# Altium PCB BusAdaptor_final.PcbDoc (part 1 of 2)
Units mm, origin at the board's own origin, x right, y up, seen from the top; angles counter-clockwise.
Board outline 50.93 x 30 mm, 4 copper layers (Top Layer, GND, POWER, Bottom Layer), stack 0.603 mm thick; 145 components, 102 nets, 555 pads, 364 vias.
Unrouted connection lines stored in the file: 6.
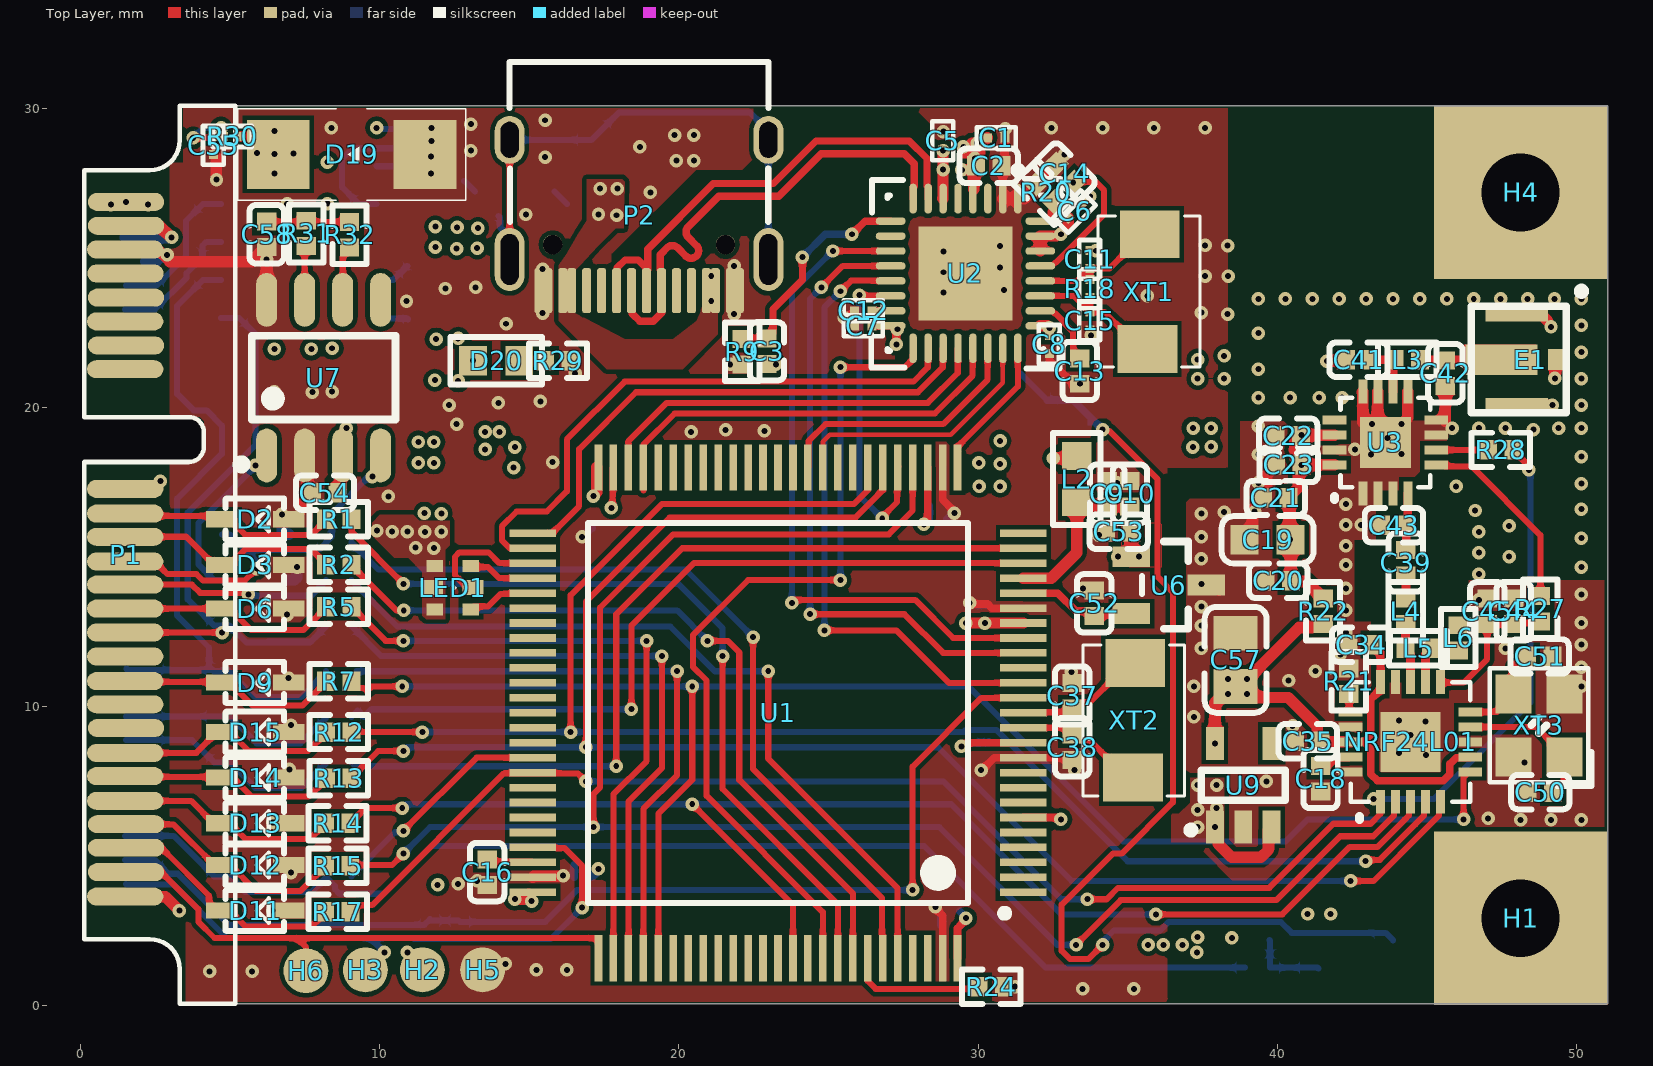
[diagram p0: Top Layer view]
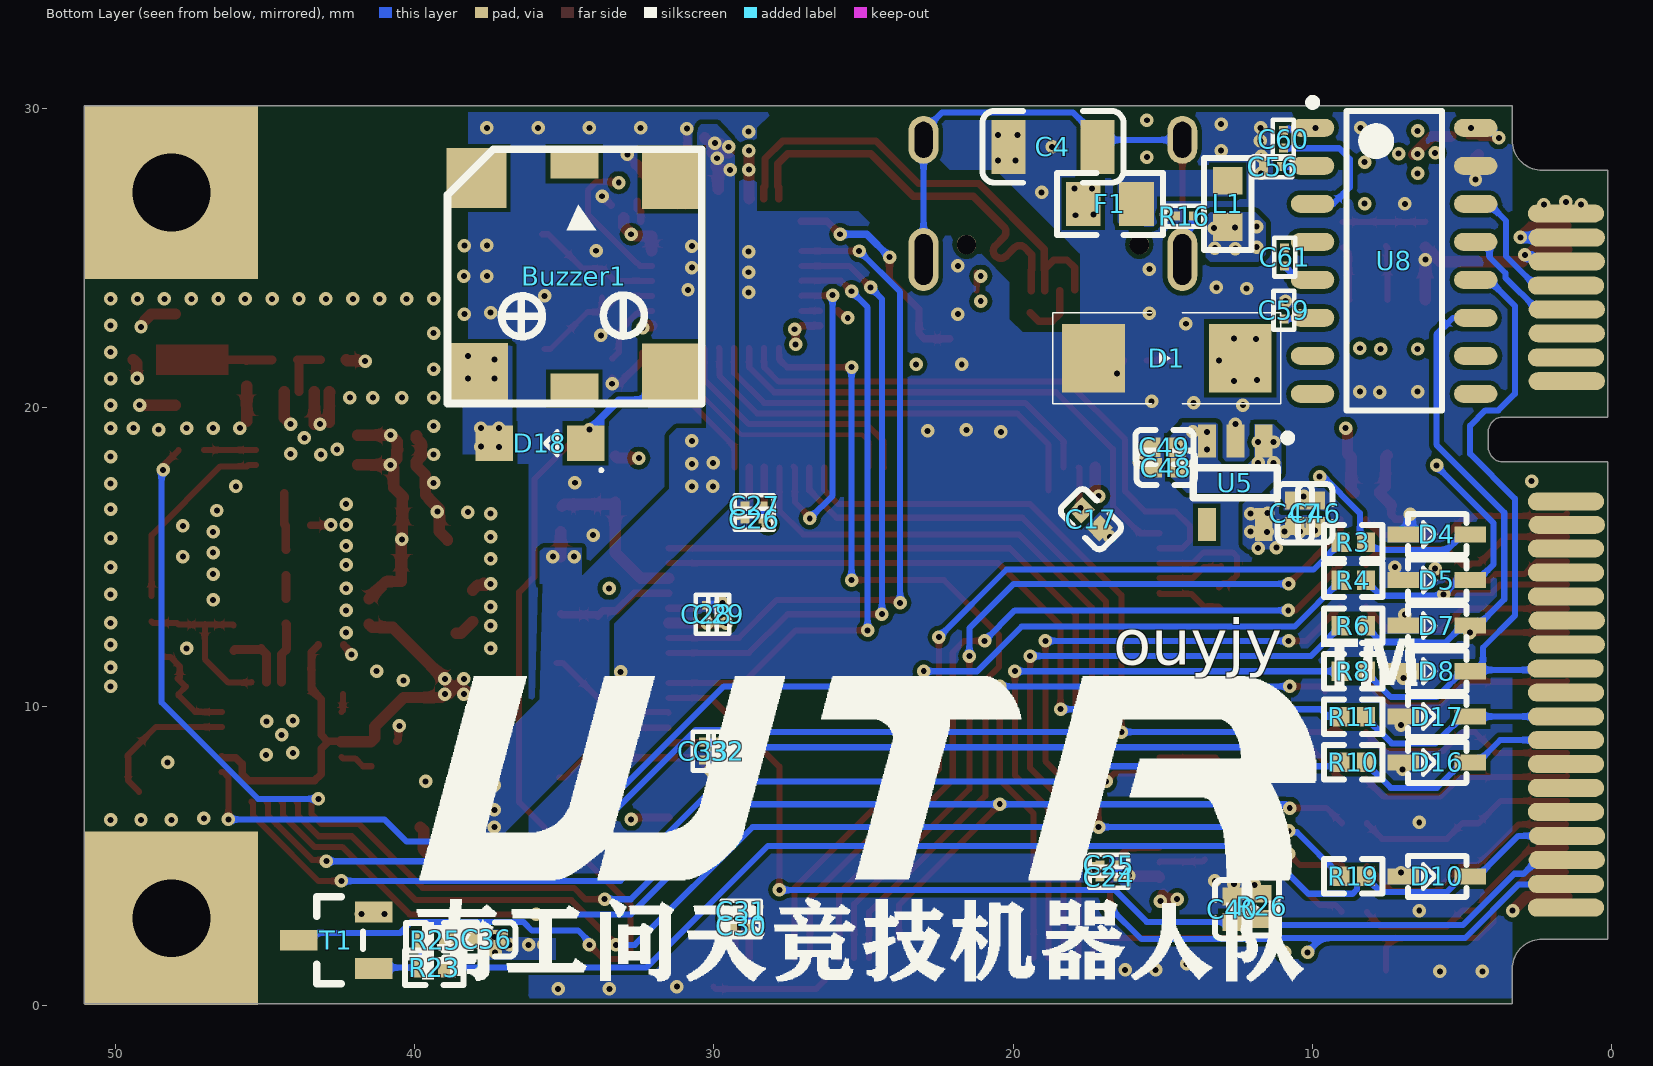
[diagram p1: Bottom Layer view, seen from below]
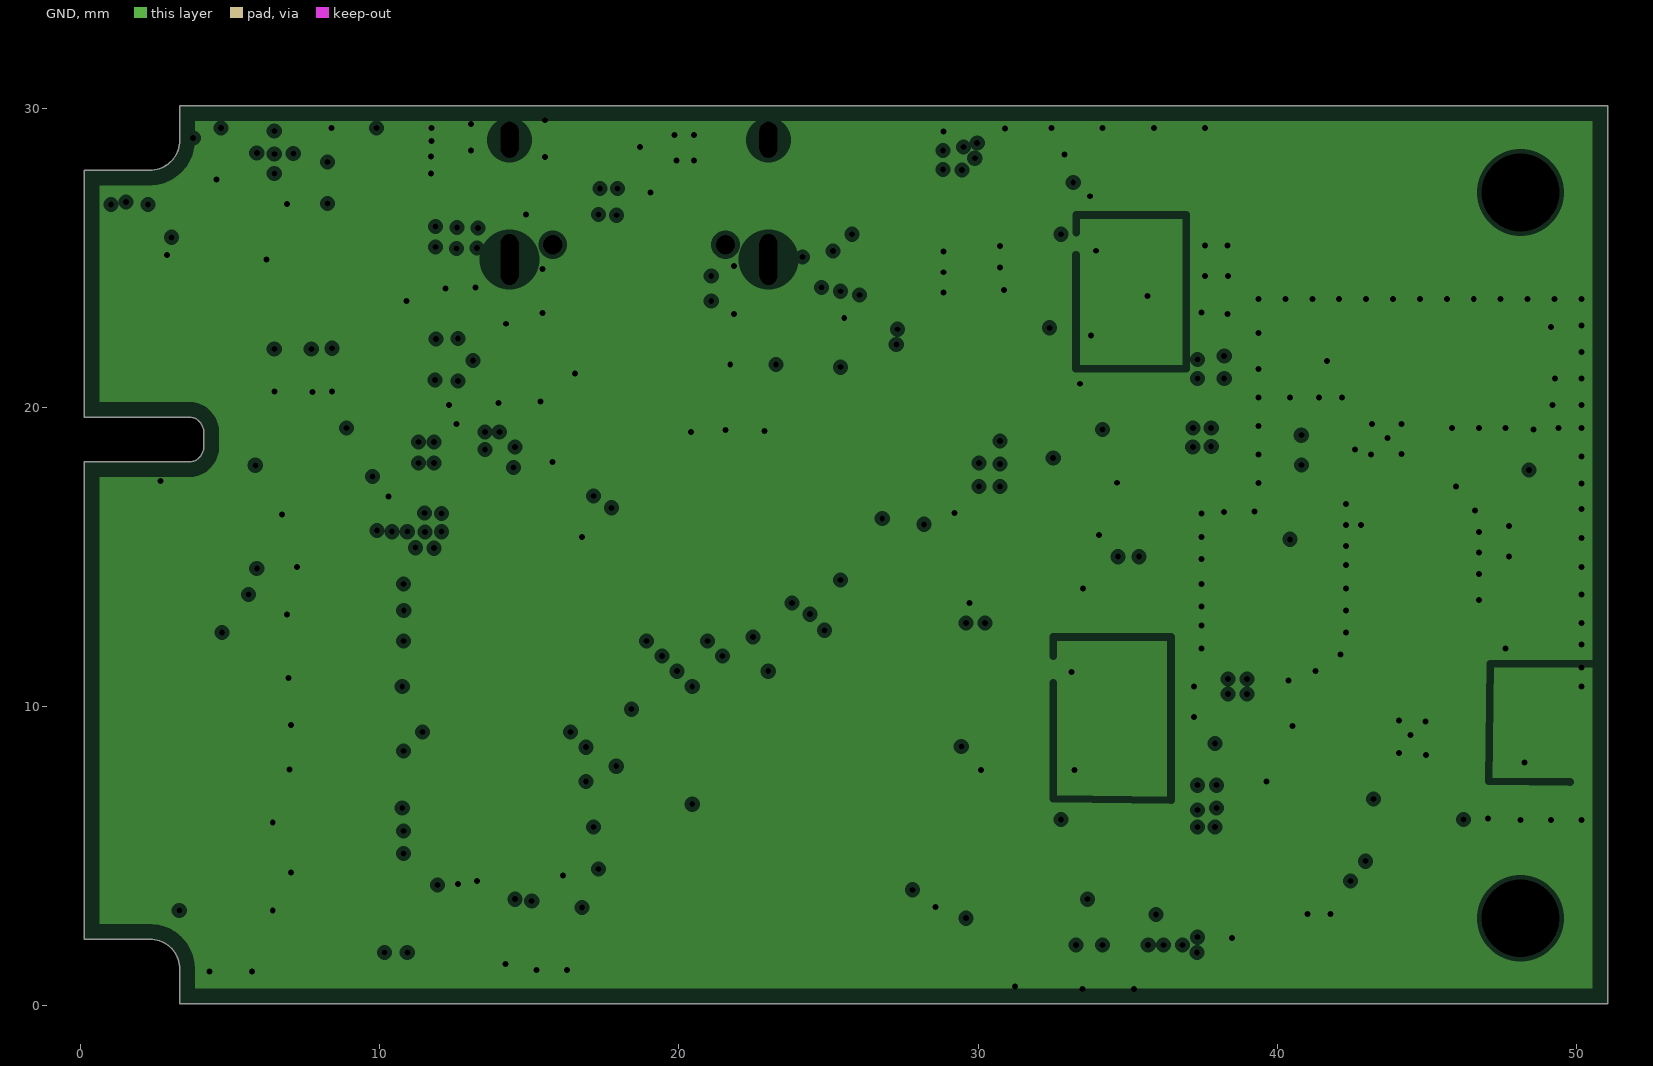
[diagram p2: GND, clearances drawn from the general rule]
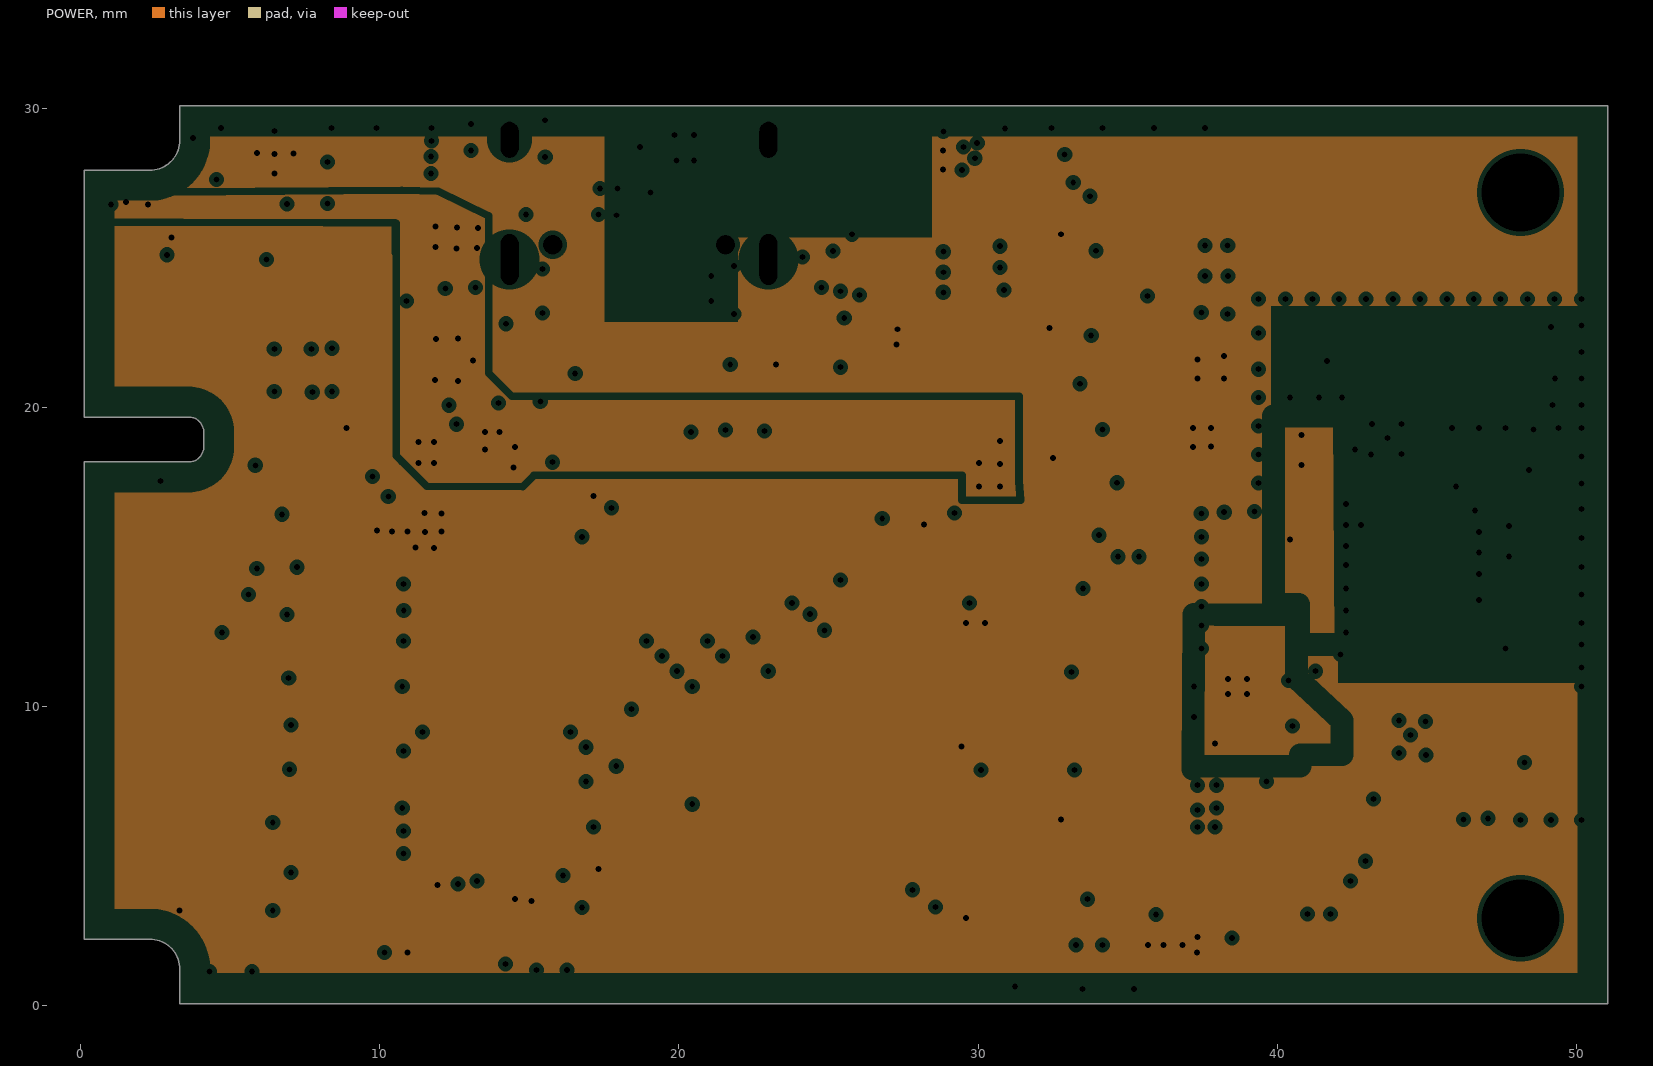
[diagram p3: POWER, clearances drawn from the general rule]
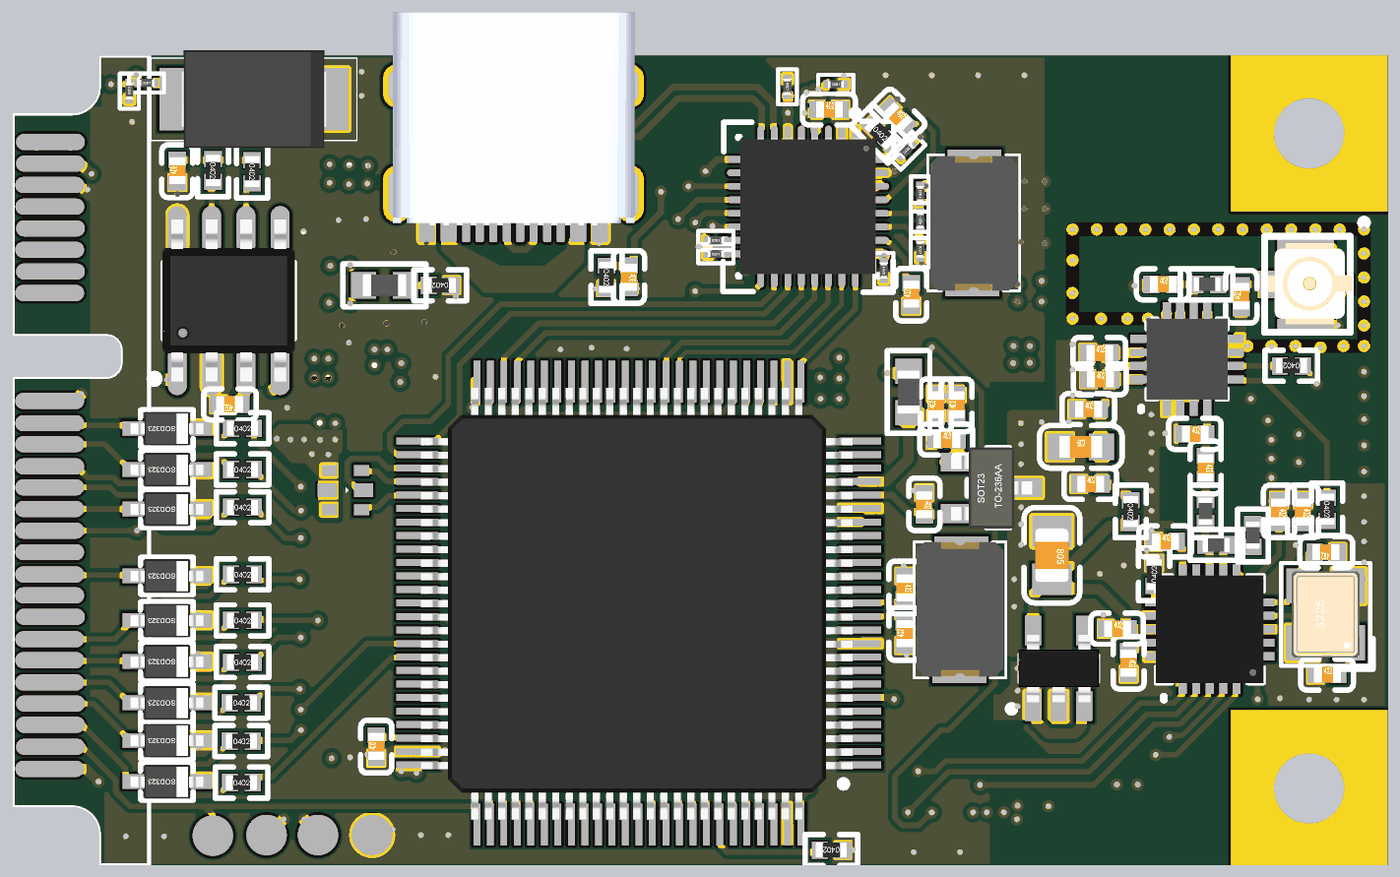
[diagram p5: 3D render of the assembled board from above, using the file's embedded part models]
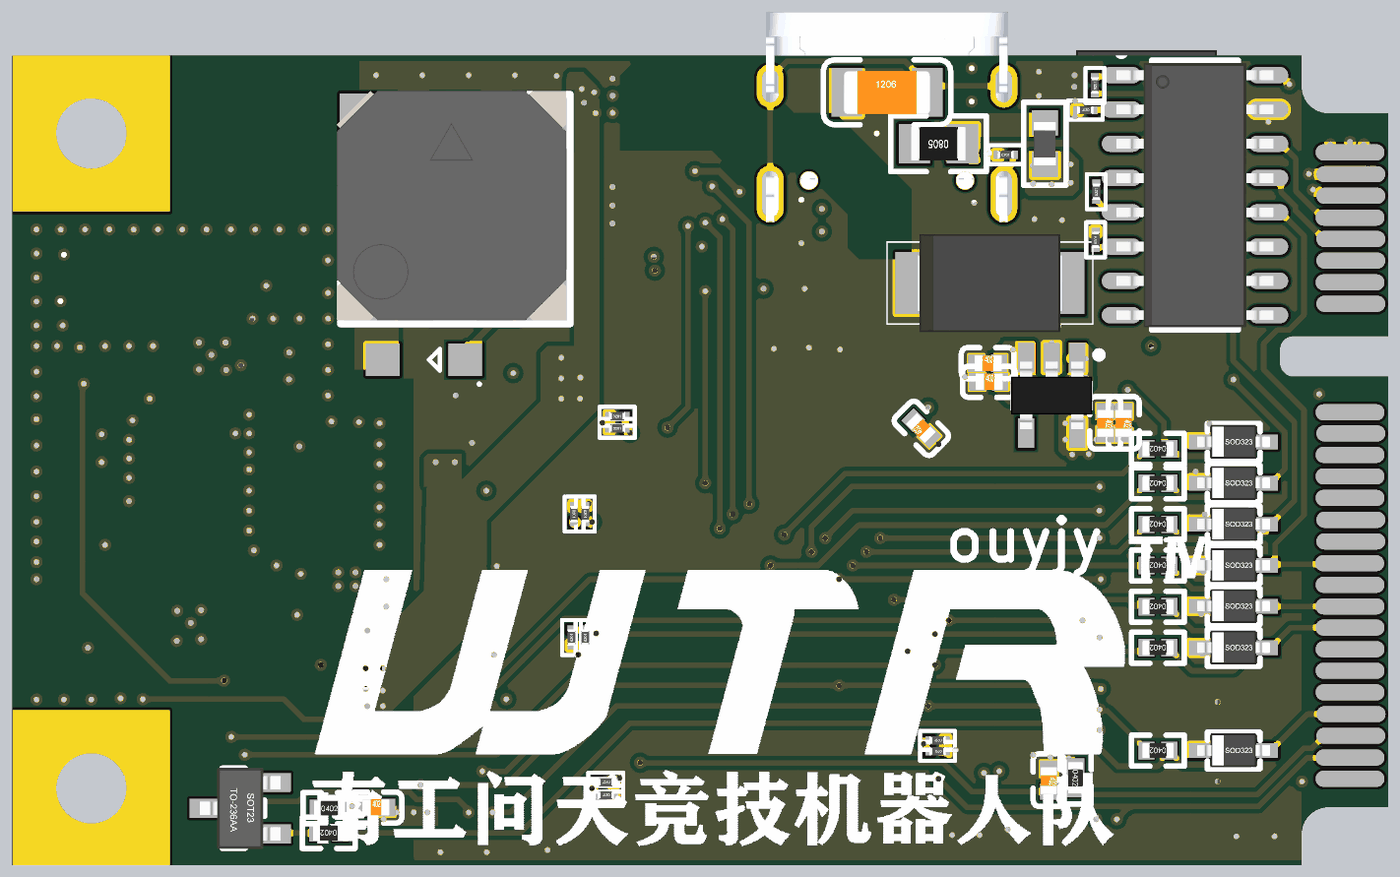
[diagram p6: 3D render of the assembled board from below, using the file's embedded part models]

## Layer stack, top to bottom
Top Solder: solder mask 0.0102, Solder Resist, Dk 3.5
Top Layer: signal copper 0.0356
Dielectric 2: prepreg 0.0711, PP-006, Dk 4.1
GND: plane copper 0.035, net GND
Dielectric 1: dielectric 0.32, FR-4, Dk 4.8
POWER: plane copper 0.035, net 3.3V
Dielectric 3: prepreg 0.0711, PP-006, Dk 4.1
Bottom Layer: signal copper 0.0356
Bottom Solder: solder mask 0.0102, Solder Resist, Dk 3.5

## Board outline
0.12,2.221 2.32,2.221 cw(c2.32,1.221) 3.32,1.221 3.32,0.067 51.052,0.067 51.052,30.071 3.32,30.071 3.32,28.921 cw(c2.32,28.921) 2.32,27.921 0.12,27.921 0.12,19.671 3.62,19.671 cw(c3.62,19.171) 4.12,19.171 4.12,18.671 cw(c3.62,18.671) 3.62,18.171 0.12,18.171

## Design rules (kind name [scope] priority, off if disabled: settings)
Clearance [All] p1: gap=0.152 ignorepadtopadclearanceinfootprint=TRUE except(0: Arc-Hole Track-Hole SMDPad-Hole THPad-Hole Via-Hole Fill-Hole Poly-Hole Region-Hole Text-Hole)
ComponentClearance [All] p1: gap=0 collisioncheckmode=3 verticalgap=0 showdistances=FALSE
DiffPairsRouting DiffPair_90ohmDiffPairsRouting [InDifferentialPair('USB')] p1: maxlimit=0.178 minlimit=0.178 mostfreqgap=0.178 toplayer_minwidth=0.247 toplayer_maxwidth=0.247 toplayer_prefwidth=0.247 bottomlayer_minwidth=0.247 bottomlayer_maxwidth=0.247 bottomlayer_prefwidth=0.247 maxuncoupledlength=2.54
HoleSize [All] p1: absolutevalues=TRUE maxlimit=3 minlimit=0.2 maxpercent=80.000 minpercent=20.000
MatchedLengths DiffPair_90ohmMatchedLengths [InDifferentialPair('USB')] p1: tolerance=0.025 checknetsindiffpair=TRUE checkdiffpairvsdiffpair=FALSE checkxsignals=FALSE checkothers=FALSE
MinimumSolderMaskSliver [All] p1: minsoldermaskwidth=0
PlaneClearance [All] p1: clearance=0.152
PlaneConnect [All] p1: planeconnectstyle=Direct reliefexpansion=0.508 reliefentries=4 reliefconductorwidth=0.254 reliefairgap=0.254
PolygonConnect [All] p1: connectstyle=Direct reliefconductorwidth=0.254 reliefentries=4 polygonreliefangle="90 Angle" airgapwidth=0.254
RoutingVias [All] p1: holewidth=0.2 width=0.45 viastyle="Through Hole" minholewidth=0.2 minwidth=0.45 maxholewidth=0.2 maxwidth=0.45
SilkToSilkClearance [All] p1: silktosilkclearance=0
SilkToSolderMaskClearance [IsPad] p1: minsilkscreentomaskgap=0 clearancetoexposedcopper=TRUE
SolderMaskExpansion [All] p1: expansion=0.102
Width [InNetClass('50ohm')] p1: maxlimit=0.293 minlimit=0.293 preferedwidth=0.293 minimp=50.000000 maximp=50.000000 favimp=50.000000
Width Width_Power [InNetClass('POWER')] p2: maxlimit=1.27 minlimit=0.254 preferedwidth=0.381 minimp=50.000000 maximp=50.000000 favimp=50.000000
Width Width_1 [All] p3: maxlimit=0.254 minlimit=0.152 preferedwidth=0.203 minimp=50.000000 maximp=50.000000 favimp=50.000000
22 further rules are at their usual default settings.

## Classes and differential pairs
net class 50ohm: NetC39_1 NetC39_2 NetC41_2 NetC42_2 NetL4_1 NetL5_1
net class POWER: 3.3V 3.3VA 3.3VPA 3.3VREF 3.3VRF 5V GND
differential pair USB: +USB_P -USB_N

## Components (designator, comment, footprint, x,y, rotation, side; value= is the part's Value field where it differs from the comment)
Buzzer1 "Buzzer_8530" BUZZER_8530 34.671,24.384 r270 bottom locked
C1 "0.1uF" 0201 30.607,29.002 r0 top
C2 "10uF" 0402_C 30.353,28.067 r0 top
C3 "10uF" 0402_C 22.946,21.866 r270 top
C4 "1000pF/2KV" 1206_C 18.669,28.702 r180 bottom
C5 "0.1uF" 0201 28.813,28.905 r270 top
C6 "0.1uF" 0201 33.223,26.543 r225 top
C7 "0.1uF" 0201 26.162,22.718 r0 top
C8 "0.1uF" 0201 32.385,22.098 r90 top
C9 "10uF" 0402_C 34.315,17.109 r90 top
C10 "10uF" 0402_C 35.076,17.109 r90 top
C11 "15pF" 0201 33.736,24.939 r270 top
C12 "0.1uF" 0201 26.162,23.221 r0 top
C13 "4.7uF" 0402_C 33.401,21.209 r90 top
C14 "4.7uF" 0402_C 32.893,27.813 r315 top
C15 "15pF" 0201 33.734,22.882 r90 top
C16 "2.2uF" 0402_C 13.589,4.463 r90 top
C17 "2.2uF" 0402_C 17.399,16.256 r45 bottom
C18 "33nF" 0402_C 41.446,7.576 r270 top
C19 "22uF" 0603_C 39.675,15.57 r0 top
C20 "2.2uF" 0402_C 40.03,14.199 r0 top
C21 "0.1uF" 0402_C 39.954,16.967 r0 top
C22 "10nF" 0402_C 40.362,19.05 r0 top
C23 "220pF" 0402_C 40.386,18.071 r0 top
C24 "1uF" 0201 16.797,4.293 r0 bottom
C25 "0.1uF" 0201 16.797,4.699 r0 bottom
C26 "1uF" 0201 28.66,16.256 r180 bottom
C27 "1uF" 0201 28.66,16.706 r180 bottom
C28 "0.1uF" 0201 30.256,13.081 r270 bottom
C29 "1uF" 0201 29.842,13.081 r270 bottom
C30 "0.1uF" 0201 29.083,2.667 r0 bottom
C31 "1uF" 0201 29.083,3.15 r0 bottom
C32 "0.1uF" 0201 29.845,8.509 r90 bottom
C33 "0.1uF" 0201 30.353,8.509 r90 bottom
C34 "10nF" 0402_C 42.799,12.065 r0 top
C35 "1nF" 0402_C 41.021,8.836 r0 top
C36 "10uF" 0402_C 37.611,2.21 r180 bottom
C37 "15pF" 0402_C 33.147,10.363 r270 top
C38 "15pF" 0402_C 33.147,8.636 r90 top
C39 "1.5pF" 0402_C 44.298,14.808 r270 top
C40 "10uF" 0402_C 12.682,3.226 r270 bottom
C41 "1.0pF" 0402_C 42.716,21.59 r0 top
C42 "1.0pF" 0402_C 45.619,21.133 r90 top
C43 "1pF" 0402_C 43.899,16.053 r0 top
C44 "2.2nF" 0402_C 47.905,13.176 r270 top
C45 "4.7pF" 0402_C 47.016,13.176 r270 top
C46 "10uF" 0402_C 9.906,16.461 r270 bottom
C47 "0.1uF" 0402_C 10.589,16.461 r270 bottom
C48 "0.1uF" 0402_C 14.903,17.98 r180 bottom
C49 "10uF" 0402_C 14.942,18.669 r180 bottom
C50 "22pF" 0402_C 48.794,7.137 r0 top
C51 "22pF" 0402_C 48.768,11.67 r180 top
C52 "0.1uF" 0402_C 33.884,13.443 r270 top
C53 "10uF" 0402_C 34.696,15.838 r0 top
C54 "100nF" 0402_C 8.172,17.145 r180 top
C55 "100nF" 0201 4.445,28.748 r270 top
C56 "100nF" 0201 11.328,28.042 r0 bottom
C57 "47uF" 0805_C 38.608,11.557 r270 top
C58 "47nF" 0402_C 6.223,25.781 r90 top
C59 "100nF" 0201 10.947,23.241 r90 bottom
C60 "100nF" 0201 10.971,28.956 r90 bottom
C61 "100nF" 0201 10.922,25.019 r90 bottom
D1 "SMBJ5A" SMB 14.859,21.637 r180 bottom
D2 "BV03CW" SOD323 5.842,16.256 r180 top
D3 "BV03CW" SOD323 5.842,14.732 r180 top
D4 "BV03CW" SOD323 5.842,15.748 r180 bottom
D5 "BV03CW" SOD323 5.842,14.224 r180 bottom
D6 "BV03CW" SOD323 5.842,13.27 r180 top
D7 "BV03CW" SOD323 5.842,12.7 r180 bottom
D8 "BV03CW" SOD323 5.842,11.176 r180 bottom
D9 "BV03CW" SOD323 5.842,10.795 r180 top
D10 "BV03CW" SOD323 5.842,4.318 r180 bottom
D11 "BV03CW" SOD323 5.842,3.175 r180 top
D12 "BV03CW" SOD323 5.842,4.699 r180 top
D13 "BV03CW" SOD323 5.842,6.096 r180 top
D14 "BV03CW" SOD323 5.842,7.62 r180 top
D15 "BV03CW" SOD323 5.842,9.144 r180 top
D16 "BV03CW" SOD323 5.842,8.128 r180 bottom
D17 "BV03CW" SOD323 5.842,9.663 r180 bottom
D18 "SM4001PL" SOD-123FL 35.814,18.796 r0 bottom
D19 "SMBJ3.3A" SMB 9.061,28.448 r180 top
D20 "LED" 0603_L 13.894,21.555 r180 top
E1 "Antenna" IPEX 48.006,21.59 r270 top
F1 "500mA" 0805_R 16.764,26.797 r0 bottom
H1 "Φ2.6" HOLD 48.133,2.921 r0 top
H2 "T" TESTPOINT 11.43,1.194 r90 top
H3 "T" TESTPOINT 9.525,1.194 r90 top
H4 "Φ2.6" HOLD 48.133,27.178 r0 top